# Allegro board MB1248D.brd (continued)
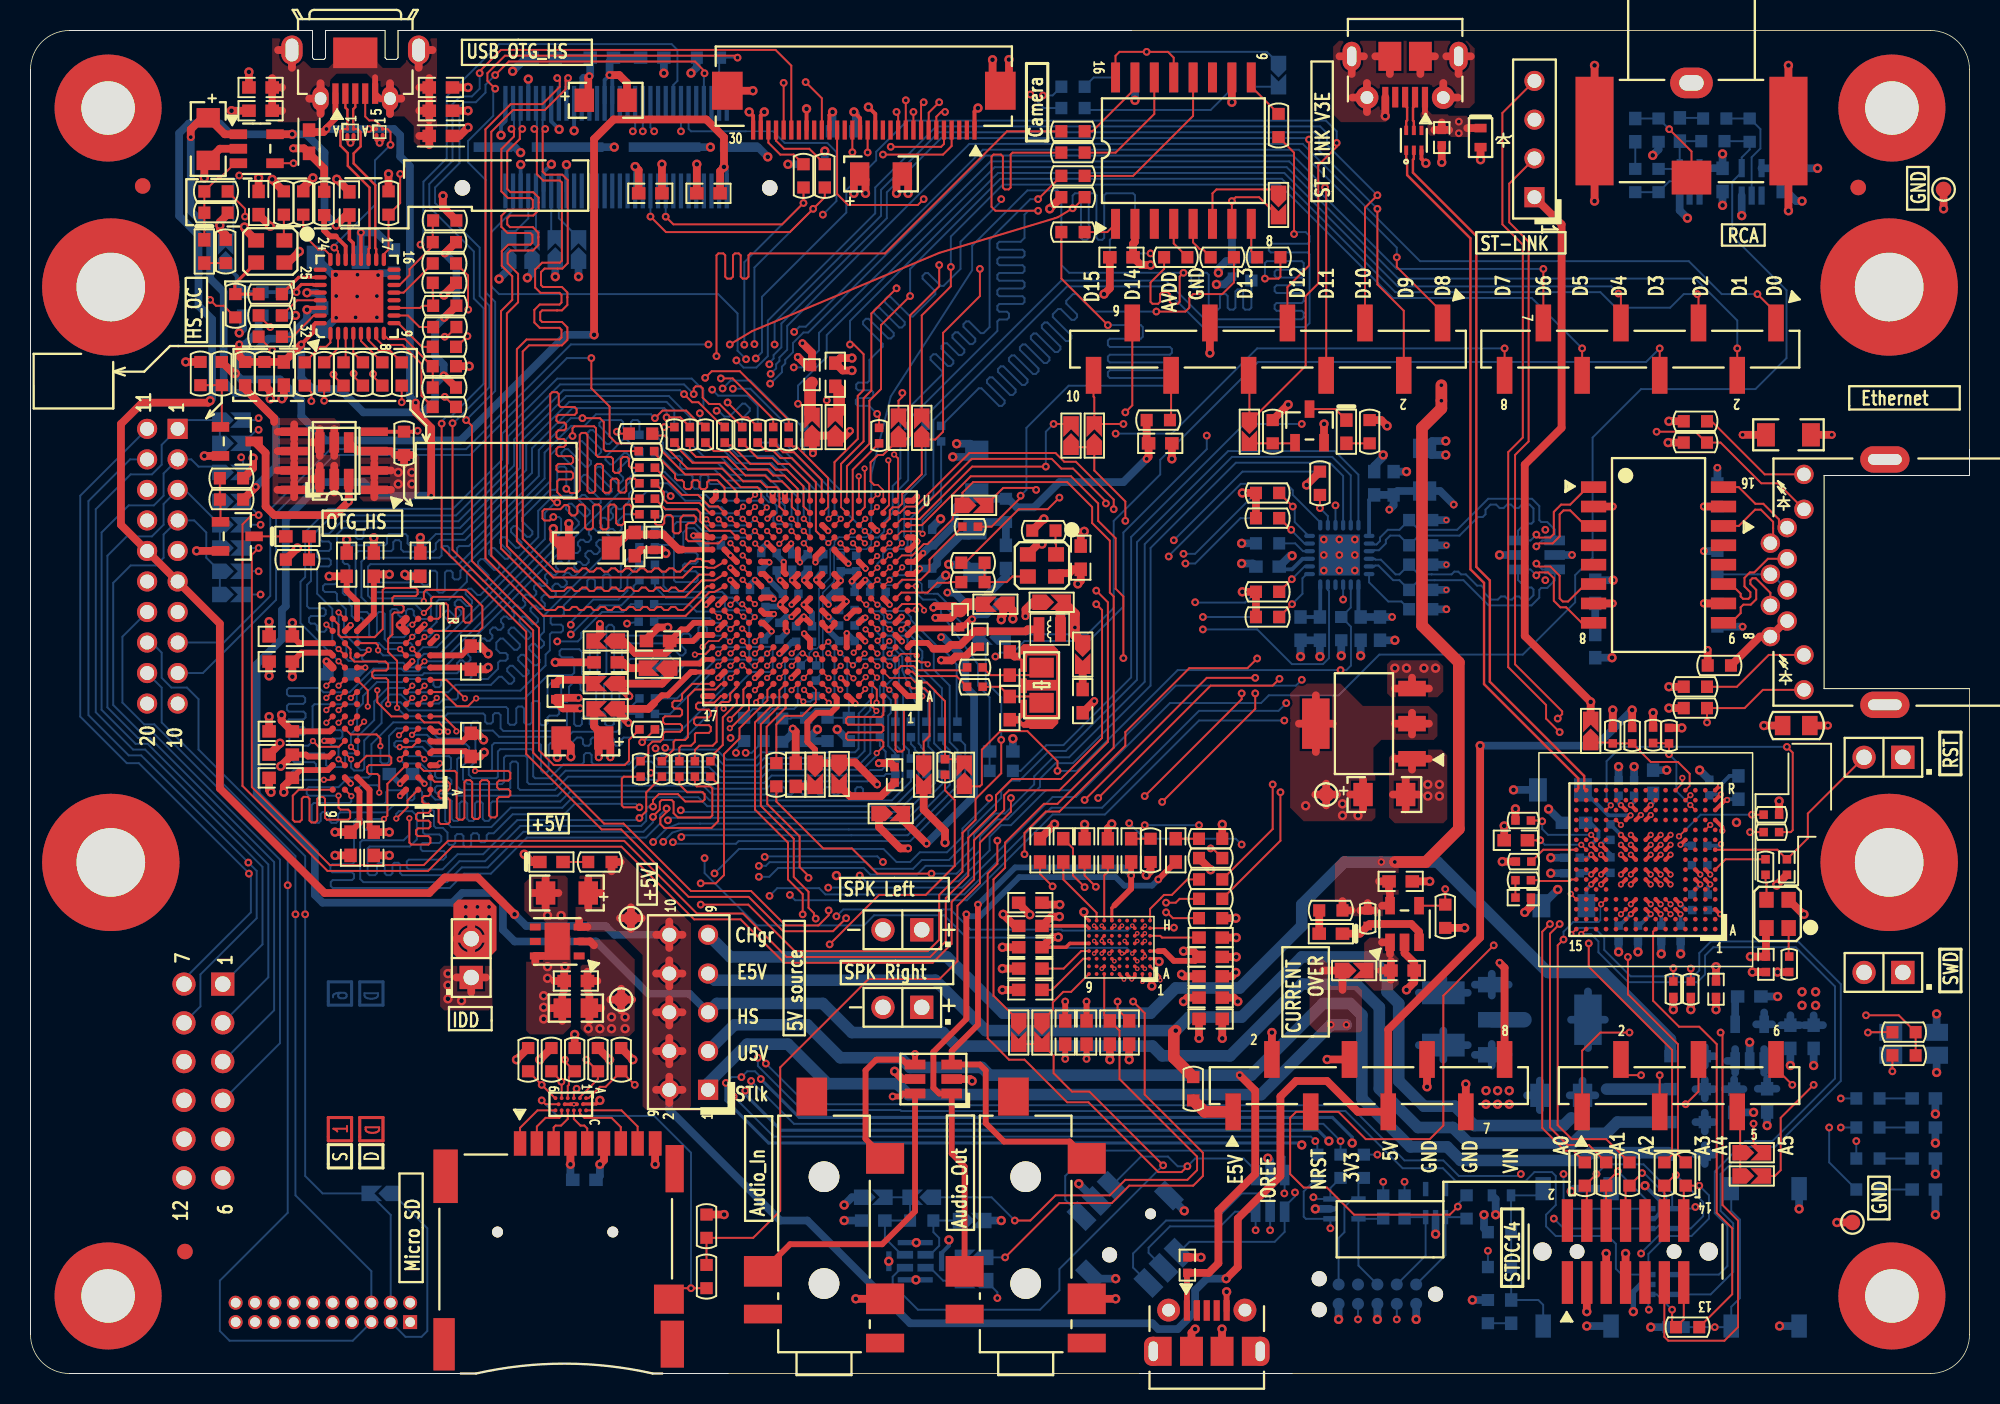
[diagram p0: board, top side]
## Routing (per net, layer and track width the routed paths; a pad name or vN(x,y) marks a point on that pad's centre or on a via; arc(x,y) is an arc through that point) (continued)
NETC7_1: length 43
  TOP w0.508: R12.2 19.23,78.96 L2.1 17.91,80.28 v1(17.2,80.28) ; U2.1 12.72,81.2 C7.1 11.26,82.28 10.5,81.52 v1(10.5,81.01) ; v1(14.75,58.09) R66.2
  L4_SIG w0.508: v1(17.2,80.28) 16.95,80.28 16.21,81.01 v1(10.5,81.01)
  BOTTOM w0.508: v1(10.5,81.01) 10.5,76.17 11.77,74.9 11.77,71.74 12.65,70.85 12.65,65.01 13.42,64.25 14.31,64.25 16.08,62.47 16.08,59.42 v1(14.75,58.09)
NETC15_2: length 4.2
  TOP w0.508: 53.04,38.47 53.68,37.83 55.71,37.83 C15.2
NETC16_2: length 2.1
  TOP w0.762: SB1.1 52.96,63.03 52.96,64.43 C16.2
NETC17_2: length 6.1
  TOP w0.508: R76.1 v1(109.85,47.41) ; C17.2 v1(112.14,61.51)
  BOTTOM w0.508: R174.1 v1(112.14,48.93) ; R166.1 v1(109.6,53.89) ; R156.1 v1(110.49,59.35)
NETC26_2: length 7
  TOP w0.381: v1(61.68,49.42) 61.58,49.42 61.17,49.01 60.99,49.01 C26.2 60.8,48.82 57.89,48.82 U6.F1
  BOTTOM w0.381: L7.2 63.36,50.41 62.63,49.68 61.94,49.68 v1(61.68,49.42)
NETC28_2: length 10.6
  TOP w0.381: U6.F17 43.78,48.39 43.39,47.99 C28.2 42.63,48.76 43.01,48.76 43.44,49.19 U6.G17
  TOP w0.508: C28.2 41.86,47.49 41.58,47.21 39.6,47.21 38.82,47.99 SB10.2
NETC31_1: length 4.3
  TOP w0.127: R77.1 62.87,45.76 C31.1 65.73,45.76 X3.2
NETC32_2: length 2.1
  TOP w0.508: C32.2 38.82,46.6 39.2,46.22 SB12.1
NETC33_2: length 2.8
  TOP w0.508: SB11.1 36.66,45.45 34.63,45.45 C33.2
NETC34_1: length 4.3
  TOP w0.127: X3.1 65.81,44.36 C34.1 63.5,45 R78.1
NETC39_2: length 2.3
  TOP w0.762: SB2.1 51.06,62.9 51.06,64.81 C39.2
NETC40_2: length 1.3
  TOP w0.508: SB15.1 C40.2
NETC43_2: length 4.1
  TOP w0.102: U9.J14 v2(101.57,34.64)
  TOP w0.127: C43.2 v1(98.89,34.94)
  BOTTOM w0.127: v2(101.57,34.64) 99.18,34.64 v1(98.89,34.94)
NETC46_1: length 7.6
  TOP w0.127: v1(66.94,31.92) 66.12,32.74 C46.1 ; U12.E6 v3(70.67,28.34)
  L4_SIG w0.102: v3(70.67,28.34) 70.19,28.82 69.73,28.82 68.28,30.27 68.28,30.58 v1(66.94,31.92)
NETC47_1: length 4.7
  TOP w0.127: C47.1 67.65,32.37 69.83,30.19 U12.H8
NETC47_2: length 6.8
  TOP w0.127: C47.2 68.28,34.41 68.28,32.63 69.04,31.87 v1(69.04,31.87) ; U12.G8 v3(69.67,29.34)
  L4_SIG w0.102: v3(69.67,29.34) 69.67,31.24 v1(69.04,31.87)
NETC48_1: length 4.9
  TOP w0.127: C48.1 69.04,32.63 v1(69.78,31.89) ; U12.G7 v3(70.17,29.34)
  L4_SIG w0.102: v1(69.78,31.89) 70.17,31.5 v3(70.17,29.34)
NETC49_1: length 3.9
  TOP w0.127: C49.1 70.57,32.88 70.33,32.64 U12.H7
NETC50_1: length 40.2
  TOP w0.191: U12.H6 70.83,30.5
  TOP w0.229: 70.83,30.5 71,30.67
  TOP w0.381: CN11.6 68.07,15.2 63.76,15.2 62.57,16.4 62.57,19.86 62.18,20.24 D4.3 60.34,21.13 62.06,22.85 v1(62.06,30.72) ; 71,30.67 72.09,31.76 v1(72.09,32.63) C50.1
  BOTTOM w0.381: v1(62.06,30.72) 64.5,33.16 71.56,33.16 v1(72.09,32.63)
NETC50_2: length 1.3
  TOP w0.127: C50.2 R98.1
NETC51_1: length 45.8
  TOP w0.229: U12.G6 v3(70.99,29.34)
  TOP w0.381: v1(73.87,32.37) C51.1 ; v1(61.3,30.09) 61.3,23.23 59.14,21.07 59.14,18.72 59.52,18.34 D4.1 60.34,14.41 61.18,13.56 CN11.4
  L4_SIG w0.254: v1(73.87,32.37) 70.99,29.49 v3(70.99,29.34)
  BOTTOM w0.381: v1(73.87,32.37) 73.46,31.97 71.63,31.97 71.07,32.53 64.76,32.53 62.19,29.96 61.42,29.96 v1(61.3,30.09)
NETC51_2: length 1.5
  TOP w0.127: C51.2 R97.1
NETC52_2: length 13.7
  TOP w0.127: U9.J1 114.42,34.32 C52.2 116.41,35.07 116.41,36.69 JP1.2
NETC58_1: length 3.3
  TOP w0.127: U12.F1 74,28.68 74.11,28.56 C58.1
NETC62_1: length 3.6
  TOP w0.127: U12.D9 68.82,27.68 67.67,26.53 C62.1
NETC63_2: length 3.2
  TOP w0.508: 89.05,27.48 U10.1 88.53,28.25 ; 89.11,25.79 C63.2 ; C63.2 89.11,27.01 ; C63.2 88.46,26.4
NETC67_2: length 3.9
  TOP w0.127: C67.2 66.91,25.13 68.95,27.18 U12.C9
NETC71_1: length 5.6
  TOP w0.229: U12.D7 v3(70.17,27.52)
  TOP w0.381: v1(67.77,24.37) C71.1
  L4_SIG w0.381: v1(67.77,24.37) 67.77,24.88 70.17,27.28 v3(70.17,27.52)
NETC71_2: length 21.6
  TOP w0.381: v1(57.94,20.94) D4.4 57.42,20.24 57.1,20.56 55.39,20.56 54.69,19.86 54.69,15.37 CN10.6 ; C71.2 v1(67.77,20.61)
  L4_SIG w0.381: v1(57.94,20.94) 58.27,20.61 v1(67.77,20.61)
NETC72_1: length 4.1
  TOP w0.229: U12.B7 v3(70.17,26.52)
  TOP w0.381: C72.1 v1(69.17,24.37)
  L4_SIG w0.381: v1(69.17,24.37) 70.17,25.37 v3(70.17,26.52)
NETC72_2: length 35.6
  TOP w0.381: CN10.4 49.75,8.47 55.78,8.47 57.94,10.62 D4.6 57.17,18.34 56.98,18.15 v1(56.47,18.15) ; C72.2 v1(69.17,20.61)
  L4_SIG w0.381: v1(69.17,20.61) 69.17,20.44 68.66,19.93 59.52,19.93 57.74,18.15 v1(56.47,18.15)
NETC73_2: length 34.6
  TOP w0.127: v1(64.47,10.02) 65.49,10.02 67.14,11.67 70.69,11.67 71.71,12.69 75.77,12.69 76.41,13.32 76.41,14.21 71.33,19.29 71.33,22.47 C73.2 70.33,23.47 U12.A7
  BOTTOM w0.127: SB41.2 62.95,11.55 v1(64.47,10.02)
NETC74_2: length 4
  TOP w0.127: U12.B6 v3(70.99,26.52) ; v1(71.2,24.37) 71.2,23.86 C74.2
  L4_SIG w0.102: v1(71.2,24.37) 70.99,24.59 v3(70.99,26.52)
NETC77_1: length 4.6
  BOTTOM w0.127: R129.1 C77.1 108.02,80.74 U16.4 107.97,78.93 R132.2
NETC77_2: length 1.5
  BOTTOM w0.127: R126.1 109.51,82.27 C77.2
NETC78_1: length 6.3
  TOP w0.127: CN3.2 108.79,80.08 v1(107.33,81.54)
  BOTTOM w0.127: v1(107.33,81.54) R128.2 C78.1
NETC78_2: length 1.8
  BOTTOM w0.127: C78.2 R133.1
NETC82_2: length 6
  TOP w0.229: U4.20 v1(21.64,74.77)
  BOTTOM w0.508: C82.2 21.62,74.75 v1(21.64,74.77) 22.66,74.77 C83.1
NETC86_1: length 24.3
  TOP w0.508: U5.7 v1(103.63,50.46) ; U5.2 v1(103.63,56.81)
  BOTTOM w0.254: C89.2 87.67,57.23 U18.19 ; U18.1 86.97,49.72 C112.2
  BOTTOM w0.508: v1(103.63,50.46) C103.2 L8.1 ; U17.5 v1(100.96,53.63) ; R167.2 v2(92.74,53) ; R164.2 v2(92.74,54.27) ; v1(89.18,49.57) C111.2 C112.2 ; v1(89,56.61) 89.28,56.88 C88.2 ; C88.2 C89.2 ; C88.2 89.53,57.82 C86.1 92.33,57.82 v1(93.22,56.94) ; R161.2 v2(92.74,55.92) ; R170.2 v2(92.74,51.35)
NETC113_1: length 3.4
  BOTTOM w0.254: C114.2 C113.1 84.47,49.59 U18.6
NETC127_2: length 4.2
  TOP w0.254: U9.M10 v2(104.8,36.57)
  BOTTOM w0.254: C127.2 103.35,36.57 v2(104.8,36.57)
NETC136_2: length 2
  TOP w0.254: U9.F13 v2(102.22,32.04)
  BOTTOM w0.254: C136.2 101.91,31.73 v2(102.22,32.04)
NETC142_2: length 1.9
  BOTTOM w0.508: C142.2 111.65,24.54 U20.4
NETC147_2: length 17.6
  BOTTOM w0.508: 113.55,19.71 U20.1 ; U20.1 114.07,20.48 ; U20.1 113.55,21.26 ; D5.2 109.66,21.4 ; D5.2 109.05,20.79 ; D5.2 109.66,20.18 ; D5.2 110.27,20.79 ; D8.2 109.66,14.95 ; D8.2 110.27,14.34 ; D8.2 109.66,13.73 ; D8.2 109.05,14.34 ; 109.05,16.47 D7.2 ; D7.2 110.27,16.47 ; D7.2 109.66,17.08 ; D7.2 109.66,15.86 ; 109.66,18.02 D6.2 ; D6.2 110.27,18.63 ; D6.2 109.05,18.63 ; D6.2 109.66,19.24 ; 113.14,18.66 C147.2 ; C147.2 114.36,18.66 ; C147.2 113.75,19.31 ; U20.3 111.65,21.26 ; U20.3 111.13,20.48 ; U20.3 111.65,19.71 ; 110.98,18.63 C148.1 ; C148.1 111.59,19.28 ; C148.1 112.2,18.63
NETC150_1: length 7.7
  BOTTOM w0.127: U21.1 57.06,7.78 55.96,8.88 C150.1 R213.2 SB41.1 SB42.1
NETC151_2: length 1.5
  BOTTOM w0.127: C151.2 R216.2
NETC152_2: length 1.5
  TOP w0.508: SB19.1 C152.2
NETC153_1: length 9.4
  TOP w0.381: U6.E1 57.74,47.87 58.76,47.87 59.14,47.49
  TOP w0.508: L3.2 65.31,48.76 65.19,48.63 61.8,48.63 60.91,47.74 60.28,47.74 60.03,47.49 59.14,47.49
NETCN1_2: length 12.1
  TOP w0.155: U4.19 22.14,73.68 22.2,73.74 22.2,77.71 20.78,79.13 20.78,79.97 20.3,80.46 20.3,81.41 20.44,81.55 D1.A1 20.75,81.84 20.76,81.84 20.76,82.82 20.62,82.95 CN1.2
NETCN1_3: length 12.1
  TOP w0.155: U4.18 22.64,73.68 22.58,73.74 22.58,77.87 21.16,79.29 21.16,79.95 21.62,80.4 21.62,81.35 21.42,81.55 D1.A2 21.15,81.84 21.14,81.86 21.14,82.85 21.27,82.99 CN1.3
NETCN1_4: length 13.6
  TOP w0.127: CN1.4 21.92,82.37 22.18,82.11 22.56,82.11 23.06,81.61 D2.A2 23.38,81.55 23.58,81.35 v1(23.58,80.51) ; U4.23 20.14,73.53 v1(19.89,73.78)
  BOTTOM w0.127: v1(19.89,73.78) 19.89,73.9 22.56,76.57 22.56,79.49 v1(23.58,80.51)
NETCN5_8: length 3
  TOP w0.127: CN5.8 74.71,62.55 R43.1
NETCN6_4: length 56.5
  TOP w0.127: CN6.4 v1(106.71,67.17)
  BOTTOM w0.127: v1(106.71,67.17) 105.82,66.28 80.41,66.28 74,59.87 74,58.91 70.95,55.86 70.95,50.16 69.22,48.44 63.9,48.44 SB39.2
NETCN6_6: length 61.5
  TOP w0.127: v1(60.28,72.51) 60.28,71.24 58.37,69.33 SB4.1 ; v1(101.63,67.17) CN6.6
  BOTTOM w0.127: v1(60.28,72.51) 60.28,74.5 63.68,77.9 81.81,77.9 89.24,70.47 98.33,70.47 v1(101.63,67.17)
NETCN7_1: length 5.5
  TOP w0.13: U5.16 111.89,58.08 112.98,56.99 113.5,56.99 114.52,55.96 114.52,55.56 114.65,55.43 CN7.1
NETCN7_2: length 5.5
  TOP w0.13: U5.14 111.89,55.54 112.96,56.6 113.34,56.6 114.14,55.8 114.14,55.4 114.14,55.39 114.14,54.59 CN7.2
NETCN7_3: length 7
  TOP w0.13: CN7.3 113.8,53.39 112.9,52.49 112.62,52.49 112.26,52.14 112.26,51.57 112.65,51.19 112.65,50.89 112.52,50.76 112.17,50.76 112.01,50.92 112.01,51.09 111.38,51.73 U5.11
NETCN7_4: length 5
  BOTTOM w0.127: CN7.5 114.04,52.37 CN7.4 113.13,52.37 113.13,52.36 R166.2
NETCN7_6: length 7
  TOP w0.13: CN7.6 113.96,51.16 113.01,52.11 112.78,52.11 112.65,51.98 112.65,51.73 113.03,51.35 113.03,50.73 112.68,50.38 112.19,50.38 112.01,50.2 112.01,49.82 111.38,49.19 U5.9
NETCN7_7: length 4.9
  TOP w0.508: CN7.7 114.98,49.31 CN7.8 113.27,48.29 R76.2
NETCN7_9: length 7.8
  TOP w0.127: R44.1 110.11,62.4 113.59,58.92 CN7.9
NETCN7_10: length 42.3
  TOP w0.127: v1(106.51,61.71) 109.05,61.71 109.76,61 R57.1 110.7,61 113.37,58.33 114.45,58.33 CN7.10
  L4_SIG w0.102: v1(85.97,50.71) 87.2,51.94 87.2,59.55 89.36,61.71 v1(106.51,61.71)
  BOTTOM w0.127: v1(85.97,50.71) U18.3
NETCN7_11: length 7.2
  TOP w0.127: R79.1 111.76,45 113.85,47.09 CN7.11
NETCN7_12: length 71.5
  TOP w0.127: v1(67.26,39.49) 67.26,40.12 65.3,42.09 63.52,42.09 62.31,40.88 62.31,38.6 62.18,38.47 SB17.2 ; v1(109.81,42.66) R80.1 112.27,43.6 113.47,44.8 CN7.12
  L4_SIG w0.102: v1(109.81,42.66) 108.16,44.31 104.22,44.31 103.71,44.82 87.08,44.82 v1(85.81,46.09)
  BOTTOM w0.127: v1(67.26,39.49) 68.53,39.49 75.14,46.09 v1(85.81,46.09) 86.19,46.09 86.49,46.39 86.49,48.93 R177.2 86.47,50.19 U18.2
NETCN8_1: length 2.9
  TOP w0.762: R120.2 76.9,17.15 CN8.1
NETCN9_5: length 4.2
  TOP w0.127: CN9.5 111.98,16.96 SB23.2 111.98,13.07
NETCN9_6: length 77.4
  TOP w0.127: SB6.2 SB7.2 69.68,59.17 71.71,57.14 v1(71.71,55.87) ; v1(115.4,18.91) 114.33,19.98 CN9.6
  L4_SIG w0.102: v1(115.4,18.91) 113.49,20.82 96.98,20.82 96.09,21.71 90.38,21.71 84.41,27.67 84.41,34.36 74.25,44.52 74.25,49.9 72.73,51.42 72.73,54.47 71.71,55.49 v1(71.71,55.87)
NETCN12_1: length 3.8
  TOP w0.127: CN12.1 32.06,16.1 33.21,17.24 U13.C6
NETCN12_2: length 3.4
  TOP w0.127: U13.C5 34.79,16.9 34.64,16.75 33.74,16.75 33.16,16.18 CN12.2
NETCN12_3: length 2.8
  TOP w0.127: CN12.3 34.26,16.12 34.39,16.24 34.75,16.24 35.19,16.68 U13.C4
NETCN12_5: length 2.7
  TOP w0.127: U13.C3 35.59,16.68 36.02,16.24 36.28,16.24 36.46,16.06 CN12.5
NETCN12_7: length 4.3
  TOP w0.127: U13.C2 35.99,17.04 36.28,16.75 38.05,16.75 38.66,16.14 CN12.7
NETCN12_8: length 4.9
  TOP w0.127: CN12.8 39.76,16.19 38.71,17.24 U13.C1
NETCN12_10: length 24
  TOP w0.127: v1(33.48,17.9) 33.74,17.64 U13.B5 ; CN12.10 42.53,5.59 v1(43.26,5.59) R122.2
  BOTTOM w0.127: v1(43.26,5.59) 43.26,14.47 40.85,16.88 34.5,16.88 v1(33.48,17.9)
NETCN15_3: length 53.7
  TOP w0.13: U6.L16 44.79,51.97 43.96,51.97 42.89,50.89 33.98,50.89 30.82,54.06 30.82,69.62 31.55,70.35 31.55,71.9 30.87,72.58 30.87,73.55 31.28,73.97 32.74,73.97 32.87,74.1 32.87,74.6 32.74,74.73 31.24,74.73 30.84,75.13 30.84,75.85 31.24,76.26 32.77,76.26 32.9,76.39 32.9,76.89 32.77,77.02 31.28,77.02 30.84,77.46 30.84,80.23 31.66,81.06 31.66,81.38 v1(31.5,81.55)
  BOTTOM w0.13: v1(31.5,81.55) 31.66,81.72 31.66,82.1 31.6,82.16 CN15.3
NETCN15_5: length 53.6
  TOP w0.13: U6.L17 44.62,52.35 43.81,52.35 42.73,51.27 42.47,51.27 42.24,51.5 41.98,51.5 41.76,51.27 41.49,51.27 41.27,51.5 41.01,51.5 40.78,51.27 40.52,51.27 40.29,51.5 40.03,51.5 39.81,51.27 39.54,51.27 39.32,51.5 39.06,51.5 38.83,51.27 38.57,51.27 38.34,51.5 38.08,51.5 37.86,51.27 37.59,51.27 37.37,51.5 37.11,51.5 36.88,51.27 36.62,51.27 36.39,51.5 36.13,51.5 35.91,51.27 35.64,51.27 35.41,51.5 35.16,51.5 34.93,51.27 34.14,51.27 31.2,54.22 31.2,69.46 31.94,70.19 31.94,71.74 31.94,72.05 31.25,72.74 31.25,73.39 31.44,73.58 32.58,73.58 32.9,73.58 33.26,73.94 33.26,74.44 33.26,74.76 32.9,75.11 31.4,75.11 31.22,75.29 31.22,75.7 31.4,75.87 32.61,75.87 32.61,75.87 32.93,75.87 33.28,76.23 33.28,76.73 33.28,77.05 32.93,77.41 31.44,77.41 31.22,77.62 31.22,80.07 32.05,80.9 32.05,81.39 v1(32.21,81.55)
  BOTTOM w0.13: CN15.5 32.1,82.16 32.04,82.1 32.04,81.72 v1(32.21,81.55)
NETCN15_8: length 3.6
  BOTTOM w0.127: SB29.1 32.6,75.69 CN15.8
NETCN15_9: length 53.5
  TOP w0.13: v1(33,81.55) 33.16,81.38 33.16,78.59 33.58,78.17 34.67,78.17 34.8,78.04 34.8,72.91 34.67,72.79 33.51,72.79 33.05,72.33 33.05,71.16 33.4,70.81 34.65,70.81 34.78,70.68 34.78,70.17 34.65,70.05 33.35,70.05 33,69.69 33,68.87 33.35,68.52 34.65,68.52 34.78,68.39 34.78,67.88 34.65,67.75 32.49,67.75 31.86,67.12 31.86,54.54 34.24,52.16 42.71,52.16 43.39,52.85 44.27,52.85 44.32,52.8 44.79,52.8 U6.M16
  BOTTOM w0.13: v1(33,81.55) 33.16,81.72 33.16,82.16 33.1,82.22 CN15.9
NETCN15_10: length 3.2
  BOTTOM w0.127: CN15.10 33.1,74.67 SB28.1
NETCN15_11: length 53.5
  TOP w0.13: U6.M17 44.65,53.18 44.48,53.18 44.43,53.23 44.06,53.23 43.9,53.38 43.64,53.38 43.49,53.23 43.24,53.23 42.55,52.54 42.29,52.54 42.19,52.65 42.08,52.76 41.82,52.76 41.71,52.65 41.61,52.54 41.34,52.54 41.24,52.65 41.13,52.76 40.87,52.76 40.77,52.65 40.66,52.54 40.4,52.54 40.29,52.65 40.19,52.76 39.93,52.76 39.82,52.65 39.71,52.54 39.45,52.54 39.35,52.65 39.24,52.76 38.98,52.76 38.87,52.65 38.77,52.54 38.5,52.54 38.4,52.65 38.29,52.76 38.03,52.76 37.92,52.65 37.82,52.54 37.56,52.54 37.45,52.65 37.34,52.76 37.09,52.76 36.98,52.65 36.87,52.54 36.61,52.54 36.5,52.65 36.4,52.76 36.14,52.76 36.03,52.65 35.93,52.54 35.66,52.54 35.56,52.65 35.45,52.76 35.19,52.76 35.08,52.65 34.98,52.54 34.4,52.54 32.24,54.7 32.24,66.96 32.65,67.37 34.49,67.37 34.49,67.37 34.81,67.37 35.16,67.72 35.16,68.23 35.16,68.23 35.16,68.55 34.81,68.9 33.51,68.9 33.38,69.03 33.38,69.53 33.51,69.66 34.49,69.66 34.49,69.66 34.81,69.66 35.16,70.02 35.16,70.52 35.16,70.52 35.16,70.84 34.81,71.19 33.56,71.19 33.43,71.32 33.43,72.17 33.67,72.4 34.51,72.4 34.83,72.4 35.19,72.76 35.19,78.2 34.83,78.55 33.74,78.55 33.55,78.75 33.55,81.39 v1(33.71,81.55)
  BOTTOM w0.13: v1(33.71,81.55) 33.54,81.72 33.54,82.16 33.6,82.22 CN15.11
NETCN15_14: length 3.2
  BOTTOM w0.127: SB27.1 34.1,74.68 CN15.14
NETCN15_15: length 54.5
  TOP w0.13: v1(34.5,84.88) 34.66,84.72 34.66,84.31 33.53,83.17 31.45,83.17 29.8,81.52 29.8,53.42 33.58,49.64 42.91,49.64 44.47,51.21 44.79,51.21 U6.K16
  BOTTOM w0.13: CN15.15 34.6,84.26 34.66,84.32 34.66,84.72 v1(34.5,84.88)
NETCN15_16: length 3.6
  BOTTOM w0.127: CN15.16 34.6,75.7 SB26.1
NETCN15_17: length 54.5
  TOP w0.13: v1(35.21,84.88) 35.05,84.72 35.05,84.15 34.05,83.15 34.04,83.15 33.69,82.79 31.61,82.79 30.18,81.36 30.18,53.58 33.74,50.03 34.37,50.03 34.57,50.23 34.83,50.23 35.03,50.03 35.29,50.03 35.49,50.23 35.75,50.23 35.96,50.03 36.22,50.03 36.42,50.23 36.68,50.23 36.88,50.03 37.14,50.03 37.34,50.23 37.6,50.23 37.81,50.03 38.07,50.03 38.27,50.23 38.53,50.23 38.73,50.03 38.99,50.03 39.19,50.23 39.45,50.23 39.66,50.03 39.91,50.03 40.12,50.23 40.38,50.23 40.58,50.03 40.84,50.03 41.04,50.23 41.3,50.23 41.5,50.03 41.76,50.03 41.97,50.23 42.23,50.23 42.43,50.03 42.75,50.03 44.31,51.59 44.66,51.59 U6.K17
  BOTTOM w0.13: v1(35.21,84.88) 35.04,84.72 35.04,84.32 35.1,84.26 CN15.17
NETCN16_2: length 14.1
  L4_SIG w0.102: 89.49,4.69 85.14,9.04 v1(85.14,9.51)
  L4_SIG w0.127: 89.49,4.69 v1(89.49,3.54)
  BOTTOM w0.127: v1(85.14,9.51) D12.1 83.54,10.13 83.39,10.28 83.39,11.93 R208.1 ; CN16.2 v1(89.49,3.54)
NETCN16_4: length 13.1
  L4_SIG w0.102: v1(84.03,11.55) 84.31,11.27 84.36,11.27 84.64,10.98 84.64,10.94 84.66,10.91 84.66,8.88 86.95,6.59 v1(86.95,3.54)
  BOTTOM w0.127: R207.1 85.14,12.15 D12.3 84.14,11.43 v1(84.03,11.55) ; CN16.4 v1(86.95,3.54)
NETCN16_6: length 7.9
  BOTTOM w0.127: R206.1 86.98,12.47 D12.4 86.58,11.43 86.06,10.91 86.06,9.26 85.68,8.88 CN16.6
NETCN16_8: length 6.4
  BOTTOM w0.127: CN16.8 86.98,7.07 D12.5 88.59,10.13 R212.1
NETCN16_9: length 6.6
  BOTTOM w0.127: R211.1 90.09,10.24 D11.3 91.38,7.72 CN16.9
NETCN16_10: length 6.6
  BOTTOM w0.127: R210.1 93.97,10.24 D11.1 92.68,7.75 CN16.10
NETCN17_3: length 12.9
  BOTTOM w0.127: CN17.3 24.56,2.4 25.61,2.4 25.99,2.78 25.99,9.51 SB40.2
NETJP2_1: length 18.7
  TOP w0.127: U12.A2 72.83,25.78 v3(72.83,25.67)
  L4_SIG w0.102: v3(72.83,25.67) 72.83,24.25 72.45,23.86 63.58,23.86 JP2.1
NETJP2_2: length 23
  TOP w0.127: v3(74,25.77) 74,26.01 U12.B1
  L4_SIG w0.102: JP2.2 61.4,23.51 72.52,23.51 74,24.98 v3(74,25.77)
NETJP5_1: length 20.3
  TOP w0.127: U12.B3 v3(72.49,26.52)
  L4_SIG w0.102: v3(72.49,26.52) 72.88,26.13 74.1,26.13 74.33,25.91 74.33,24.88 72.65,23.2 59.16,23.2 JP5.1
NETJP5_2: length 24.1
  TOP w0.127: U12.C3 v3(72.49,27.02)
  L4_SIG w0.102: JP5.2 56.93,22.9 72.78,22.9 74.63,24.75 74.63,26.03 74.21,26.46 73.56,26.46 73,27.02 v3(72.49,27.02)
NETLD1_2: length 2.1
  BOTTOM w0.127: LD1.2 R203.2
NETLD2_2: length 2.1
  BOTTOM w0.127: LD2.2 R204.2
NETLD3_2: length 2.1
  BOTTOM w0.127: LD3.2 R205.2
NETLD4_2: length 2.1
  BOTTOM w0.127: LD4.2 R209.2
NETLD5_1: length 1.4
  TOP w0.127: LD5.1 R17.1
NETLD5_2: length 6.2
  TOP w0.127: U2.3 13.38,79.3 12.37,78.3 12.22,78.3 R7.2 R13.2 LD5.2
NETLD6_1: length 1.5
  TOP w0.127: LD6.1 R46.1
NETLD6_2: length 2.7
  TOP w0.127: LD6.2 85.47,63.19 T1.3
NETLD7_1: length 1.5
  TOP w0.127: R71.1 LD7.1
NETLD7_2: length 2.1
  TOP w0.127: LD7.2 T5.3
NETLD8_1: length 1.7
  TOP w0.127: LD8.1 R101.1
NETLD9_1: length 1.5
  TOP w0.508: R106.2 LD9.1
NETLD9_2: length 6.2
  TOP w0.508: U10.3 90.95,28.94 90.44,29.45 87.71,29.45 R109.1 87.08,28.82 LD9.2
NETLD10_2: length 3.1
  TOP w0.127: R113.1 120.38,22.37 v1(120.35,22.34)
  BOTTOM w0.127: LD10.2 120.36,22.35 v1(120.35,22.34)
NETLD10_3: length 2.1
  TOP w0.127: v1(121.95,19.8) R114.1
  BOTTOM w0.127: v1(121.95,19.8) 121.85,19.9 LD10.3
NETP1_27: length 4.5
  TOP w0.127: P1.27 48.83,80.78 49.36,80.25 51.01,80.25 R5.2
NETP1_28: length 3.7
  TOP w0.127: R4.2 49.99,79.87 49.1,79.87 48.33,80.65 P1.28
NETP2_13: length 68.1
  TOP w0.127: SB3.1 56.85,63.74 57.1,64 v1(57.1,64.25)
  L4_SIG w0.102: P2.13 8.59,58.85 9.92,58.85 10.62,59.55 10.62,60.57 11.26,61.2 11.26,61.96 14.58,65.29 14.58,69.23 16.38,71.03 16.38,71.29 16.99,71.9 17.03,71.9 18.37,73.24 18.6,73.24 18.62,73.27 24.03,73.27 25.3,74.54 50.78,74.54 57.1,68.21 v1(57.1,64.25)
NETR1_2: length 3.1
  TOP w0.127: U3.9 79.96,84.32 R1.2
NETR2_2: length 5.2
  TOP w0.127: U3.15 72.34,84.18 69.55,81.4 R2.2
NETR3_2: length 8
  TOP w0.127: R3.2 71.07,80 73.61,82.53 U3.14
NETR6_2: length 11.3
  TOP w0.127: R6.2 72.22,78.47 76.15,82.4 U3.12
NETR9_2: length 1.7
  TOP w0.127: R9.2 16.59,74.28 X1.1
NETR10_1: length 3.9
  TOP w0.127: R10.1 17.86,74.64 18.85,73.65 19.26,73.65 19.64,73.27 U4.24
NETR11_2: length 14.5
  TOP w0.127: v1(24.21,78.6) 24.21,76.7 R11.2 23.45,73.65 23.14,73.34 U4.17 ; v1(17.23,79.3) U2.4
  L4_SIG w0.102: v1(24.21,78.6) 23.58,79.24 17.29,79.24 v1(17.23,79.3)
NETR12_1: length 3.7
  TOP w0.254: 19.99,74.51 20.64,73.87 U4.22
  TOP w0.381: R12.1 19.23,74.89 19.61,74.51 19.99,74.51
NETR15_1: length 2.2
  TOP w0.127: R15.1 70.53,74.79 U3.1
NETR18_1: length 2.6
  TOP w0.127: U3.4 74.88,74.05 75.77,73.15 R18.1
NETR19_1: length 2.8
  TOP w0.127: R19.1 77.3,73.15 76.77,73.68 76.58,73.68 76.15,74.11 U3.5
NETR20_1: length 2.4
  TOP w0.127: U3.8 79.96,73.53 R20.1
NETR21_1: length 3.3
  TOP w0.127: U4.13 24.44,70.83 R21.1
NETR23_1: length 3
  TOP w0.203: R23.1 17.56,71.83 U4.26
NETR26_1: length 2.9
  TOP w0.127: R26.1 17.45,70.32 18.97,70.32 U4.29
NETR27_1: length 2.9
  TOP w0.127: U4.10 24.72,69.33 25.48,68.57 R27.1
NETR28_1: length 3.1
  TOP w0.127: U4.31 18.55,69.33 17.16,67.93 R28.1
NETR29_1: length 3.2
  TOP w0.127: U4.9 24.08,68.83 25.63,67.27 R29.1
NETR31_1: length 4.2
  TOP w0.127: T2.1 12.53,62.11 R32.2 R31.1
NETR35_1: length 2.8
  TOP w0.127: U4.1 19.64,67.56 19.36,67.27 18.98,67.27 R35.1
NETR36_1: length 2.3
  TOP w0.127: R36.1 20.14,67.17 U4.2
NETR37_1: length 2
  TOP w0.127: R37.1 20.64,66.4 U4.3
NETR38_1: length 2.2
  TOP w0.127: R38.1 21.14,66.89 U4.4
NETR39_1: length 2.5
  TOP w0.127: R39.1 21.64,67.66 U4.5
NETR40_1: length 3.2
  TOP w0.127: U4.6 22.14,67.7 22.82,67.02 23.55,67.02 R40.1
NETR42_1: length 7.1
  TOP w0.127: U4.7 22.64,67.8 23.04,67.4 24.36,67.4 25.61,66.16 25.61,64.07 R42.1
NETR45_1: length 3
  TOP w0.127: SB5.1 R45.1 82.78,60.95 T1.1
NETR47_1: length 43.5
  TOP w0.127: R47.1 38.54,61.58 v1(38.41,61.71) ; U7.J2 v2(25.81,45.07)
  L4_SIG w0.102: v1(38.41,61.71) 38.41,61.21 38.51,61.11 39.91,61.11 40.01,61.01 40.01,60.8 39.91,60.7 38.51,60.7 38.41,60.6 38.41,60.4 38.51,60.29 39.91,60.29 40.01,60.19 40.01,59.99 39.91,59.89 38.51,59.89 38.41,59.79 38.41,59.58 38.51,59.48 39.91,59.48 40.01,59.38 40.01,59.18 39.91,59.08 38.51,59.08 38.41,58.97 38.41,58.77 38.51,58.67 39.91,58.67 40.01,58.57 40.01,58.36 39.91,58.26 38.51,58.26 38.41,58.16 38.41,57.96 38.51,57.86 39.91,57.86 40.01,57.75 40.01,57.55 39.91,57.45 38.51,57.45 38.41,57.35 38.41,56.83 36.07,54.5 36.07,47.97 35.64,47.54 33.79,47.54 33.51,47.82 29.6,47.82 29.49,47.72 29.49,46.27 29.27,46.04 27.72,46.04 27.18,45.51 26.24,45.51 v2(25.81,45.07)
NETR48_1: length 9.9
  TOP w0.127: R48.1 42.45,60.72 42.45,60.59 43.36,59.68 45.45,59.68 46.67,58.46 47.81,58.46 48.19,58.08 48.87,58.08 49.05,57.91 49.05,56.8 U6.T11
NETR49_2: length 9.9
  TOP w0.127: R49.2 43.18,60.47 43.59,60.06 45.61,60.06 46.83,58.84 48.11,58.84 48.49,58.46 49.22,58.46 49.87,57.82 49.87,56.78 U6.T10
NETR50_2: length 8.1
  TOP w0.127: U6.U10 50.25,57.2 50.25,57.97 49.38,58.84 48.65,58.84 48.27,59.22 46.99,59.22 45.77,60.44 44.76,60.44 R50.2
NETR51_2: length 8.3
  TOP w0.127: R51.2 45.65,60.82 45.93,60.82 47.15,59.6 48.43,59.6 48.81,59.22 49.54,59.22 50.63,58.13 50.63,56.82 U6.T9
NETR52_2: length 6.6
  TOP w0.127: U6.U9 51.01,57.24 51.01,58.29 49.7,59.6 48.96,59.6 48.58,59.98 47.63,59.98 R52.2
NETR53_2: length 8.7
  TOP w0.127: R53.2 48.16,60.47 48.64,60.47 49.12,59.98 49.85,59.98 51.44,58.4 51.44,55.21 U6.P8
NETR54_2: length 5.6
  TOP w0.127: U6.U8 51.82,57.23 51.82,58.56 50.01,60.36 49.28,60.36 R54.2
NETR55_2: length 6
  TOP w0.127: R55.2 49.92,60.75 50.17,60.75 52.24,58.68 52.24,56.77 U6.T8
NETR56_1: length 6.2
  TOP w0.127: U6.R6 53.85,55.98 53.85,59.22 R56.1
NETR59_2: length 8.4
  TOP w0.127: R59.2 40.9,60.26 42.22,58.94 42.22,58.66 42.35,58.53 42.67,58.53 42.8,58.41 42.8,58.08 42.92,57.95 43.18,57.95 43.3,58.08 43.3,58.41 43.43,58.53 43.69,58.53 43.81,58.41 43.81,58.08 43.94,57.95 44.19,57.95 44.32,58.08 44.32,58.41 44.45,58.53 44.98,58.53 45.46,58.06 U6.U16
NETR60_2: length 5.8
  TOP w0.127: U6.T16 45.03,56.82 44.47,56.82 43.72,57.57 42.68,57.57 R60.2
NETR61_2: length 2.9
  TOP w0.127: R61.2 R66.1 12.44,57.22 T5.1
NETR62_2: length 4.8
  TOP w0.127: U6.T17 44.47,56.39 43.82,57.04 41.72,57.04 41.48,57.27 41.48,57.75 R62.2
NETR63_2: length 3.1
  TOP w0.127: R63.2 v1(84.45,56.71)
  BOTTOM w0.127: U18.14 84.97,56.19 v1(84.45,56.71) R63.2
NETR64_1: length 4.9
  TOP w0.127: R64.1 v1(82.68,56.81)
  BOTTOM w0.127: U18.12 83.71,54.88 82.8,55.79 82.8,56.68 v1(82.68,56.81) R64.1
NETR65_2: length 6.7
  TOP w0.127: R65.2 41.58,56.63 43.64,56.63 43.87,56.4 43.87,55.83 44.48,55.22 45.83,55.22 U6.P15
NETR67_2: length 10.6
  TOP w0.127: U6.P16 45.07,54.4 44.2,54.4 44.06,54.54 43.1,54.54 42.96,54.68 42.96,55.59 43.08,55.72 43.45,55.72 43.57,55.84 43.57,56.1 43.45,56.22 42.75,56.22 42.58,56.05 42.58,55.18 42.45,55.06 42.19,55.06 42.07,55.18 42.07,56.1 41.91,56.25 41.66,56.25 41.51,56.1 41.51,55.72 41.38,55.59 41.03,55.59 40.9,55.72 R67.2
NETR68_2: length 3.8
  TOP w0.127: v1(82.58,55.28) 81.81,56.05 R68.2
  BOTTOM w0.127: R68.2 82.55,55.28 v1(82.58,55.28) 82.58,55.26 83.45,54.38 U18.11
NETR69_2: length 6.4
  TOP w0.127: 61.04,55.49 58.88,53.33 58.88,52.59 58.3,52.01 57.08,52.01 U6.K2
NETR70_2: length 1.6
  TOP w0.127: R70.2 67.14,54.37 67.17,54.33 X2.1
NETR72_2: length 37
  TOP w0.127: R72.2 61.22,53.13 64.72,56.63 66.63,56.63 v1(67.39,57.39)
  L4_SIG w0.102: v1(67.39,57.39) 67.52,57.52 70.67,57.52 73.61,54.57 73.61,51.93 v1(76.79,48.76)
  BOTTOM w0.127: U18.5 84.97,51.34 85.05,51.26 85.05,46.88 84.66,46.48 82.62,46.48 80.35,48.76 v1(76.79,48.76)
NETR74_2: length 3.8
  TOP w0.127: R74.2 v1(82.61,52.05)
  BOTTOM w0.127: U18.8 83.45,52.88 v1(82.61,52.05) R74.2
NETR75_2: length 4.9
  TOP w0.127: R75.2 v1(82.63,50.41)
  BOTTOM w0.127: R75.2 v1(82.63,50.41) 83.31,51.09 83.31,52.11 83.59,52.38 U18.7
NETR82_2: length 17.3
  TOP w0.102: U6.H15 46.65,49.6 v2(46.69,49.6)
  TOP w0.127: v1(40.06,41.37) R82.2
  BOTTOM w0.127: v2(46.69,49.6) 47.07,49.21 47.07,47.74 47.2,47.61 47.6,47.61 47.6,47.61 48.47,47.61 48.61,47.47 48.61,46.09 48.49,45.96 47.2,45.96 42.75,41.52 40.21,41.52 v1(40.06,41.37)
NETR83_1: length 6.1
  TOP w0.102: U9.N3 v2(108.72,37.25)
  TOP w0.127: R83.1 106.75,41.31 106.77,41.29 R86.1 v1(107.32,40.58)
  BOTTOM w0.127: v2(108.72,37.25) 107.8,38.16 107.8,40.1 v1(107.32,40.58)
NETR87_1: length 45.7
  TOP w0.127: v1(52.34,28.12) 55.58,31.36 58.63,31.36 60.53,33.26 60.53,37.58 59.9,38.22 59.9,39.23
  L4_SIG w0.102: v1(63.33,4.94) 63.33,6.97 52.34,17.96 v1(52.34,28.12)